# Allegro board 20173009_BALENA-FIN_V10.brd (continued)
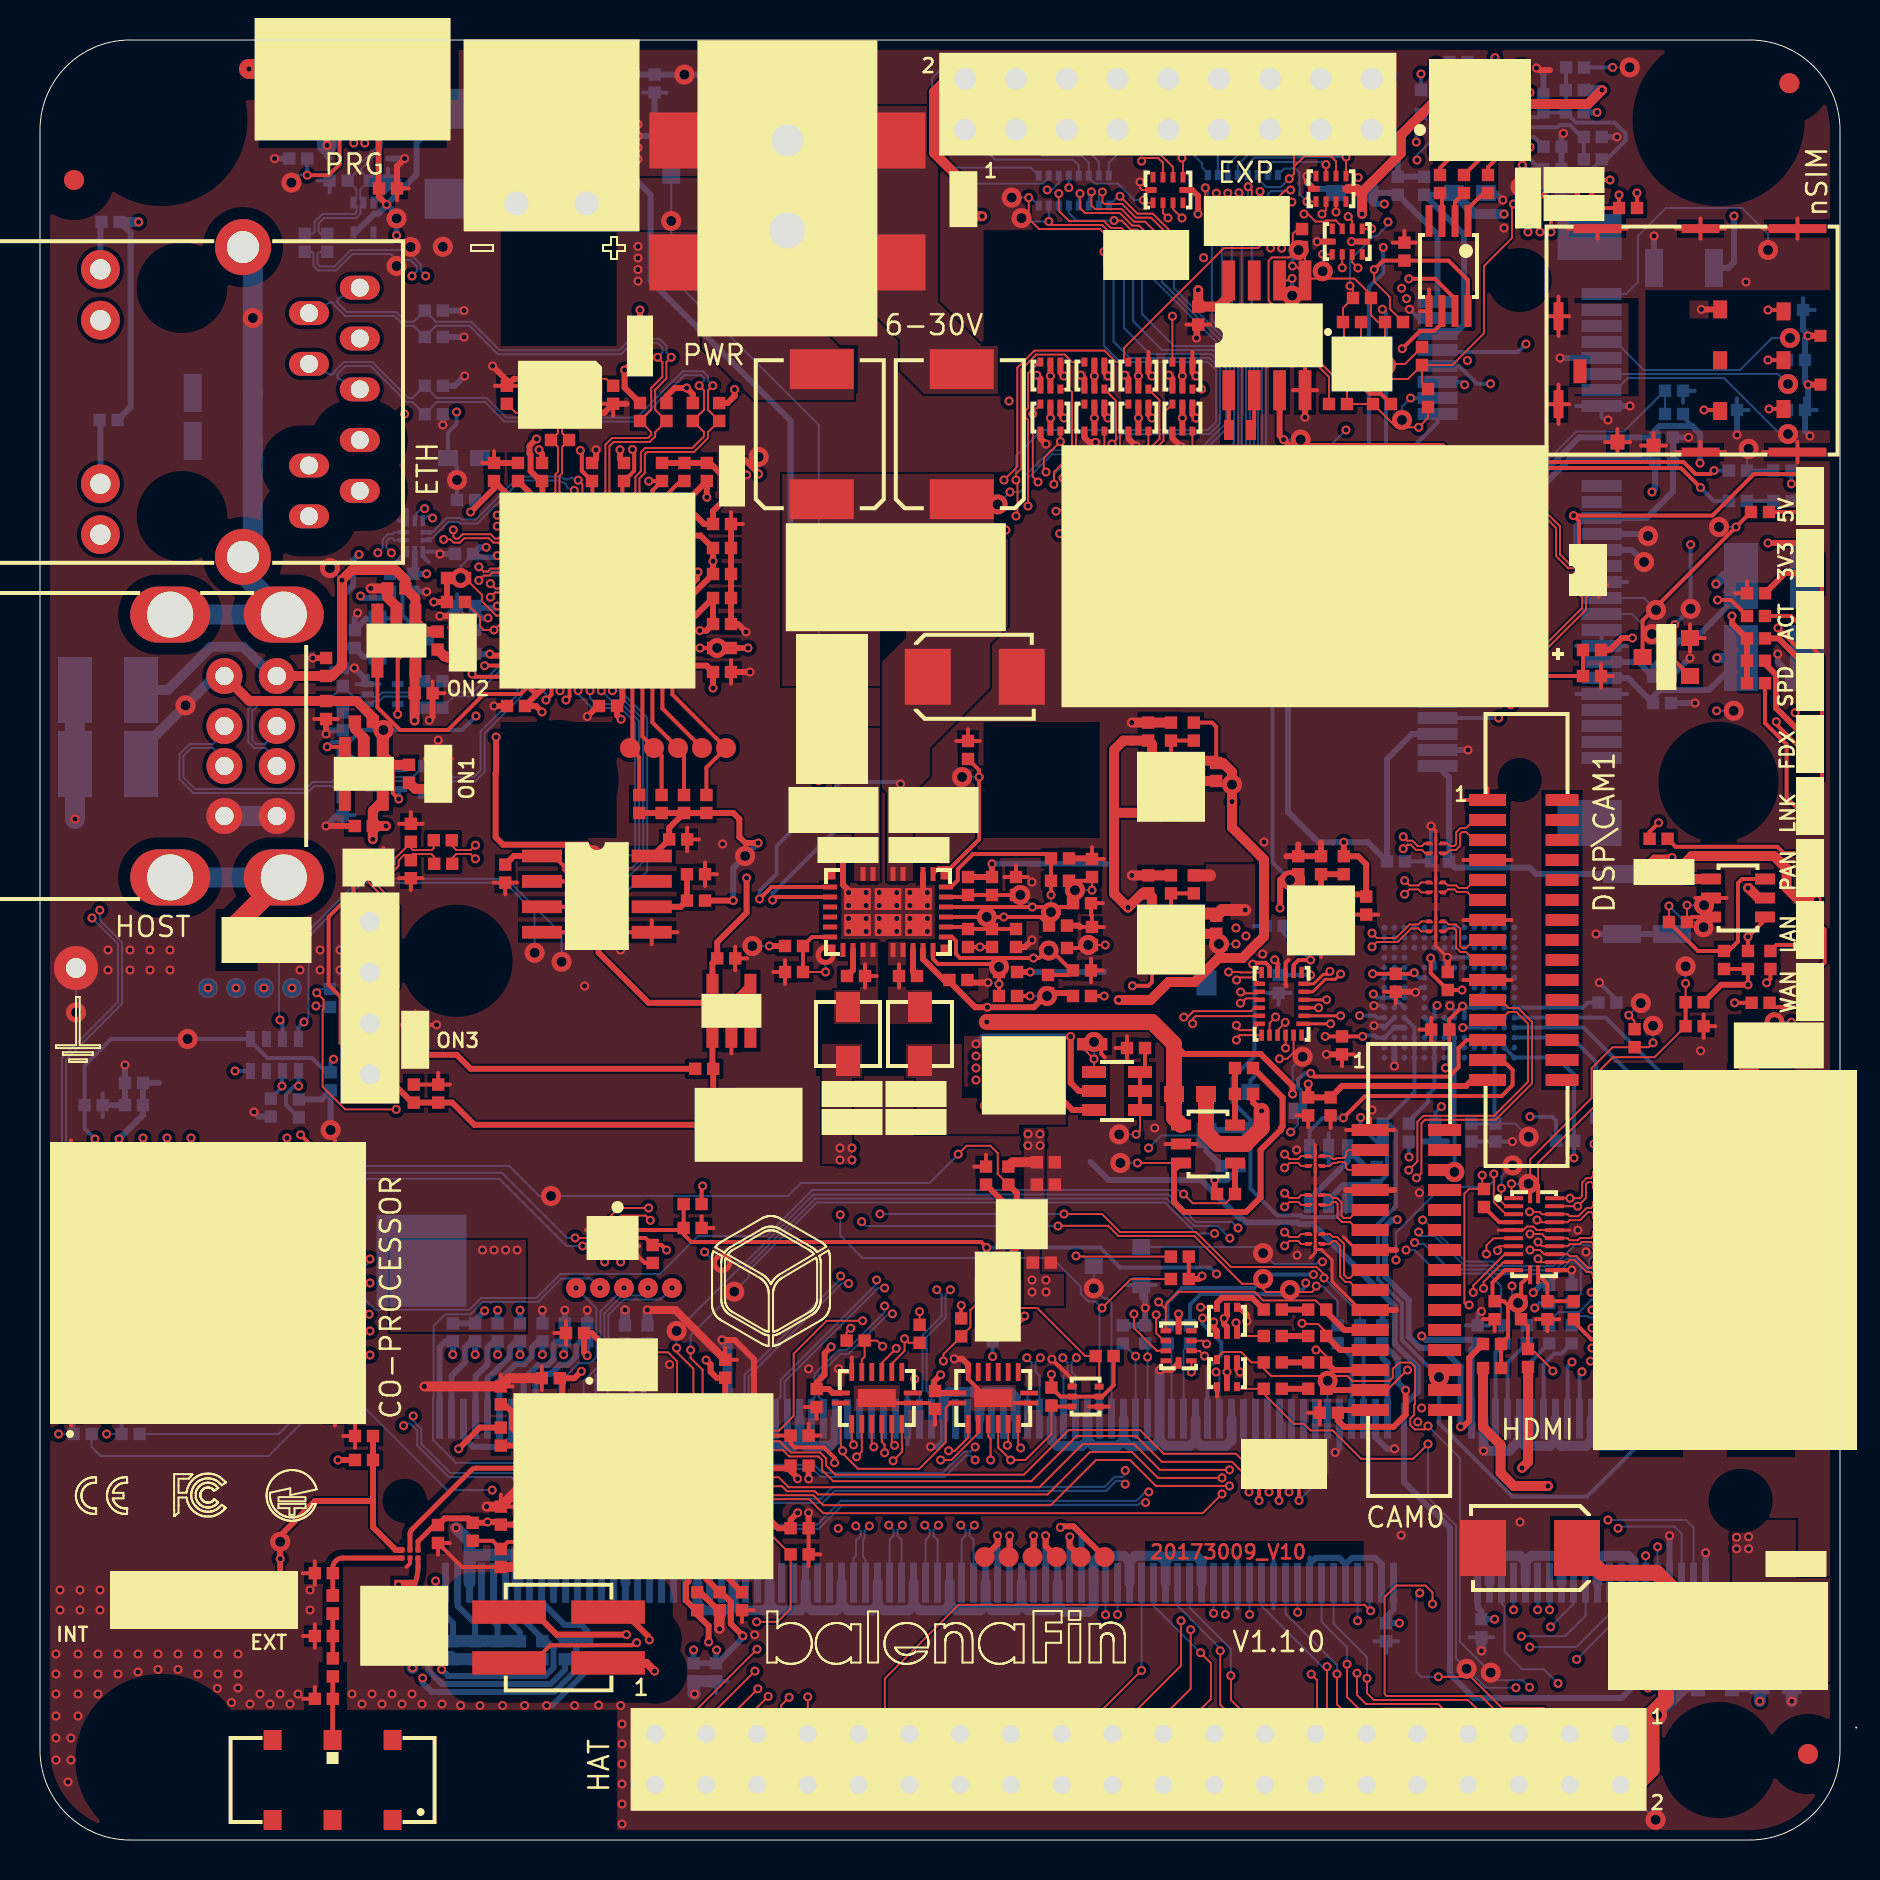
[diagram p0: board, top side]
## Routing (per net, layer and track width the routed paths; a pad name or vN(x,y) marks a point on that pad's centre or on a via; arc(x,y) is an arc through that point) (continued)
EMMC_CMD: length 38.1
  BOTTOM w0.2: U17.M5 68.72,40.62 U17.L3 U17.L2 U17.L1 68.72,37.39 67.14,35.81 ; 67.14,35.81 R134.1 ; 67.14,35.81 67.45,35.81 67.8,35.46 67.8,31.7 66.9,30.8 66.9,28.02 68.09,26.84 68.09,25 v2(69.95,23.14) 69.95,20.84 73.62,17.17 77.34,17.17 79.98,19.81 J2.12 79.98,22.06
EMMC_D0: length 35.6
  INT1 w0.2: v1(77.7,34.8) 78.38,34.12 78.38,31.87 arc(78.43,31.75) 78.54,31.7 79.29,31.7 arc(79.45,31.54) 79.29,31.38 78.54,31.38 arc(78.38,31.21) 78.54,31.05 79.29,31.05 arc(79.45,30.89) 79.29,30.72 78.54,30.72 arc(78.38,30.56) 78.54,30.4 79.29,30.4 arc(79.45,30.23) 79.29,30.07 78.54,30.07 arc(78.38,29.91) 78.54,29.74 79.29,29.74 arc(79.45,29.58) 79.29,29.42 78.54,29.42 arc(78.38,29.25) 78.54,29.09 79.29,29.09 arc(79.45,28.92) 79.29,28.76 78.54,28.76 arc(78.38,28.6) 78.54,28.43 79.29,28.43 arc(79.45,28.27) 79.29,28.11 78.54,28.11 arc(78.38,27.94) 78.54,27.78 78.77,27.78 arc(78.93,27.62) 78.77,27.45 78.54,27.45 arc(78.36,27.38) 78.28,27.19 78.28,26.28 v1(77.6,25.6)
  BOTTOM w0.2: v1(77.6,25.6) 78.78,24.42 J2.16 ; v1(77.7,34.8) 77.8,34.9 R138.1 77.8,38.9 76.58,40.12 U17.A3
EMMC_D1: length 35.6
  INT1 w0.2: v1(79.4,34.75) 80.18,33.97 80.18,31.29 arc(80.24,31.15) 80.38,31.09 80.77,31.09 arc(80.94,30.93) 80.77,30.76 80.4,30.76 arc(80.24,30.6) 80.4,30.44 80.9,30.44 arc(81.07,30.27) 80.9,30.11 80.4,30.11 arc(80.24,29.95) 80.4,29.78 80.9,29.78 arc(81.07,29.62) 80.9,29.46 80.33,29.46 arc(80.16,29.29) 80.33,29.13 80.88,29.13 arc(81.04,28.97) 80.88,28.8 80.32,28.8 arc(80.16,28.64) 80.32,28.48 80.88,28.48 arc(81.04,28.31) 80.88,28.15 80.32,28.15 arc(80.16,27.98) 80.32,27.82 80.67,27.82 arc(80.83,27.66) 80.67,27.49 80.32,27.49 arc(80.16,27.33) 80.32,27.17 80.67,27.17 arc(80.83,27) 80.67,26.84 80.32,26.84 arc(80.2,26.79) 80.16,26.68 80.16,25.58 79.17,24.6 v1(77.6,24.6)
  BOTTOM w0.2: v1(79.4,34.75) R137.1 79.4,38.4 77.18,40.62 U17.A4 ; J2.18 78.18,24.02 v1(77.6,24.6)
EMMC_D2: length 35.7
  INT1 w0.2: v1(81.08,34.6) 81.16,34.6 81.43,34.33 arc(81.74,33.86) 81.85,33.31 81.85,31.51 arc(81.91,31.37) 82.05,31.31 82.39,31.31 arc(82.56,31.15) 82.39,30.98 81.83,30.98 arc(81.67,30.82) 81.83,30.66 82.39,30.66 arc(82.56,30.49) 82.39,30.33 81.83,30.33 arc(81.67,30.16) 81.83,30 82.39,30 arc(82.56,29.84) 82.39,29.67 81.83,29.67 arc(81.67,29.51) 81.83,29.35 82.18,29.35 arc(82.34,29.18) 82.18,29.02 81.83,29.02 arc(81.67,28.86) 81.83,28.69 82.17,28.69 arc(82.33,28.53) 82.17,28.37 81.83,28.37 arc(81.71,28.32) 81.67,28.2 81.67,25.87 79.21,23.41 v1(77.1,23.41)
  BOTTOM w0.2: J2.22 76.98,23.28 77.1,23.4 v1(77.1,23.41) ; v1(81.08,34.6) 81.08,38.33 78.28,41.12 U17.A5
EMMC_D3: length 35.7
  INT1 w0.2: v1(76.6,23.9) 76.39,24.11 arc(76.35,24.18) 76.33,24.25 76.33,25.49 arc(76.27,25.63) 76.13,25.69 75.38,25.69 arc(75.22,25.85) 75.38,26.02 76.94,26.02 arc(77.1,26.18) 76.94,26.34 75.4,26.34 arc(75.24,26.51) 75.4,26.67 76.94,26.67 arc(77.1,26.84) 76.94,27 75.4,27 arc(75.24,27.16) 75.4,27.33 76.94,27.33 arc(77.1,27.49) 76.94,27.65 75.4,27.65 arc(75.24,27.82) 75.4,27.98 77.46,27.98 arc(77.61,28.02) 77.72,28.13 arc(77.78,28.28) 77.8,28.43 77.8,33.19 arc(77.78,33.29) 77.73,33.37 77,34.1 v1(76.7,34.1)
  BOTTOM w0.2: U17.B2 U17.A1 75.86,39.12 76.7,38.28 R135.1 v1(76.7,34.1) ; v1(76.6,23.9) 76.38,23.68 J2.24
EMMC_DISABLE_N: length 118.4
  INT2 w0.1: v1(33.52,85.82) 34.58,85.82 35.11,85.29 35.11,77.78 38.23,74.65 53,74.65 54.05,75.7 77.12,75.7 80.31,72.51 80.31,68.97 87.59,61.7 87.59,57.22 88.3,56.51 88.3,55.5 87.18,54.38 87.18,23.78 86,22.6 v1(83.8,22.6)
  BOTTOM w0.1: J2.2 82.98,21.78 v1(83.8,22.6) 83.8,23.26 v2(83.35,23.71) ; Q2.3 33.53,85.84 v1(33.52,85.82)
EMMC_DS: length 7.9
  BOTTOM w0.2: U17.H5 70.7,40.64 70.7,40.14 U17.G3 U17.G2 U17.G1 v2(70.72,33.4)
EMMC_EN_N_1V8: length 81.1
  TOP w0.1: R22.1 54.55,28.05 v1(53.1,26.6)
  INT2 w0.1: v1(40.01,31.27) 38.7,32.58 38.7,52.72 v1(38.94,52.96)
  BOTTOM w0.1: v1(38.94,52.96) 38.94,70.76 31.56,78.14 v2(31.56,80.95) Q3.1 ; v1(40.01,31.27) 40.01,30.22 41.13,29.1 50.6,29.1 52.04,27.66 52.04,27.31 52.42,26.93 52.77,26.93 v1(53.1,26.6) 52.98,26.48 J2.90
EMMC_RST: length 6
  BOTTOM w0.2: R133.1 68.45,35.95 69.41,36.91 69.41,37.28 69.72,37.59 U17.J1 U17.J2 U17.J3 69.72,40.62 U17.K5
ETH_RX+: length 33
  TOP w0.1: U22.52 30.12,67.27 29.97,67.42 29.97,68.08 30.24,68.35 30.24,69.3 30.34,69.4 32.7,69.4 33.4,70.1 33.4,70.39 R164.1 33.4,71.51 33.4,72.48 v1(33.64,72.72)
  BOTTOM w0.1: v1(33.64,72.72) 33.4,72.96 33.4,73.18 33.14,73.44 32.15,73.44 29.83,71.12 23.31,71.12 22.33,72.1 19.85,72.1 C138.1 18.63,72.1 18.41,72.1 16.61,73.9 15.19,73.9 14.75,73.46 14.68,73.3 14.54,73.26 J20.4
ETH_RX-: length 32.5
  TOP w0.1: U22.53 29.62,67.27 29.77,67.42 29.77,68.16 30.04,68.43 30.04,69.38 30.26,69.6 32.61,69.6 33.2,70.19 33.2,70.39 R165.1 32.98,71.29 33.2,71.51 33.2,72.48 v1(32.96,72.72)
  BOTTOM w0.1: v1(32.96,72.72) 33.2,72.96 33.2,73.1 33.06,73.24 32.23,73.24 29.91,70.92 23.23,70.92 22.25,71.9 19.85,71.9 C139.1 18.63,71.9 18.33,71.9 16.53,73.7 15.28,73.7 14.92,73.34 14.85,73.21 14.9,73.08 15.99,72.53
ETH_TX+: length 30.6
  TOP w0.1: v1(31.56,74.13) 31.32,73.89 31.32,73.08 30.76,72.52 30.76,71.51 R162.1 30.75,70.38 30.75,70.17 30.48,69.9 29.47,69.9 28.68,69.9 28.47,69.69 28.47,67.42 28.62,67.27 U22.55
  BOTTOM w0.1: v1(31.56,74.13) 31.32,74.38 31.32,74.71 30.97,75.06 29.53,75.06 28.96,74.49 22.98,74.49 21.56,75.91 19.8,75.91 C136.1 18.68,75.91 18.3,75.91 17.81,76.4 15.34,76.4 14.9,76.84 14.85,76.94 14.9,77.07 J20.1
ETH_TX-: length 30.5
  TOP w0.1: v1(30.88,74.13) 31.12,73.89 31.12,73.16 30.56,72.6 30.56,71.51 R163.1 30.55,70.4 30.55,70.25 30.4,70.1 29.39,70.1 29.39,70.1 28.6,70.1 28.27,69.77 28.27,67.42 28.12,67.27 U22.56
  BOTTOM w0.1: v1(30.88,74.13) 31.12,74.38 31.12,74.63 30.89,74.86 29.61,74.86 29.04,74.29 22.9,74.29 21.48,75.71 19.8,75.71 C137.1 18.68,75.71 18.22,75.71 17.73,76.2 15.26,76.2 14.74,76.72 14.68,76.85 14.54,76.89 J20.2
FB_3V3: length 3.5
  TOP w0.2: R266.2 R258.1 C221.2 46.3,47.15 U27.31
FB_5V: length 3.5
  TOP w0.2: U27.28 46.3,45.65 C220.2 R257.1 R265.2
GPIO4: length 23.7
  TOP w0.1: v1(65.85,8.34) 65.85,7.25 66.3,6.8 69.91,6.8 J18.7
  INT1 w0.1: v1(76.83,9.03) 66.2,9.03 65.85,8.68 v1(65.85,8.34)
  BOTTOM w0.1: J2.15 79.08,11.28 v1(76.83,9.03)
GPIO5: length 39.5
  INT2 w0.1: v1(74.49,9.65) 74.49,8.84 73.15,7.5 45.67,7.5 J18.29
  BOTTOM w0.1: J2.17 78.48,11.31 76.82,9.65 v1(74.49,9.65)
GPIO6: length 41.3
  INT2 w0.1: J18.31 43.33,7.7 72.96,7.7 74.01,8.75 74.01,10.13 v1(74.07,10.19)
  BOTTOM w0.1: J2.21 77.28,11.21 76.26,10.19 v1(74.07,10.19)
GPIO7: length 35.7
  INT2 w0.1: v1(75.53,10.66) 75.33,10.46 75.33,7.51 74.72,6.9 50.99,6.9 49.89,5.8 49.89,4.1 J18.26
  BOTTOM w0.1: v1(75.53,10.66) 76.68,11.81 J2.23
GPIO8: length 34.1
  INT2 w0.1: J18.24 52.29,3.96 52.29,5.79 53,6.5 75.46,6.5 76.33,7.37 76.33,10.66 v1(75.48,11.51)
  BOTTOM w0.1: J2.27 v1(75.48,11.51)
GPIO9: length 29.3
  TOP w0.1: J18.21 57.05,8.72 v1(57.05,10.96)
  INT1 w0.1: v1(74.88,11.51) 74.88,12.55 74.13,13.3 58.22,13.3 57.05,12.13 v1(57.05,10.96)
  BOTTOM w0.1: v1(74.88,11.51) J2.29
GPIO10: length 26.6
  TOP w0.1: J18.19 56.17,6.2 57.53,7.56 v1(57.53,10.52)
  INT1 w0.1: v1(73.68,11.51) 73.68,12.41 72.99,13.1 58.3,13.1 57.53,12.33 v1(57.53,10.52)
  BOTTOM w0.1: J2.33 v1(73.68,11.51)
GPIO11: length 33
  INT2 w0.1: J18.23 52.49,6.7 75.38,6.7 75.9,7.22 v1(75.9,7.83)
  BOTTOM w0.1: v1(75.9,7.83) 75.19,8.54 74.11,8.54 73.23,9.42 73.23,11.66 73.08,11.81 J2.35
GPIO12: length 33.2
  TOP w0.1: J18.32 42.24,4.07 42.24,8.07 45.93,11.76 66.23,11.76 v1(66.53,11.46)
  BOTTOM w0.1: J2.45 66.48,11.51 v1(66.53,11.46)
GPIO13: length 32.8
  TOP w0.1: v1(38.39,7.16) J18.33
  INT2 w0.1: v1(38.39,7.16) 41.17,9.94 64.44,9.94 65.45,10.96 v1(65.88,10.96)
  BOTTOM w0.1: J2.47 v1(65.88,10.96)
GPIO14: length 16.6
  TOP w0.1: J18.8 72.61,3.96 72.61,5.8 71.41,7 66.69,7 66.35,7.34 v1(66.35,8.08)
  BOTTOM w0.1: v1(66.35,8.08) 66.35,9.14 64.68,10.81 J2.51
GPIO15: length 12.6
  TOP w0.1: J18.10 67.62,4.01 67.62,5.78 66.85,6.55 65.95,6.55 65.35,7.15 v1(65.35,8.79)
  BOTTOM w0.1: v1(65.35,8.79) 65.35,9.64 64.08,10.91 J2.53
GPIO16: length 33.7
  TOP w0.1: v1(37.46,7.13) 37.05,6.73 37.05,3.96 J18.36
  INT2 w0.1: v1(37.46,7.13) 40.47,10.14 60.51,10.14 61.76,11.39 v1(62.88,11.39)
  BOTTOM w0.1: v1(62.88,11.39) J2.57
GPIO17: length 9.2
  TOP w0.1: v1(64.85,8.3) 64.85,6.78 J18.11
  BOTTOM w0.1: v1(64.85,8.3) 64.85,8.74 62.28,11.31 J2.59
GPIO18: length 12.4
  TOP w0.1: v1(64.35,8.67) 64.35,6.51 65.04,5.82 65.04,4.05 J18.12
  BOTTOM w0.1: v1(64.35,8.67) 64.11,8.67 61.08,11.7 J2.63
GPIO19: length 29.9
  TOP w0.1: v1(36.41,7.18) 35.85,6.62 J18.35
  INT2 w0.1: v1(36.41,7.18) 39.79,10.56 54.41,10.56 55.19,11.34 57.24,11.34 57.82,10.76 59.97,10.76 v1(60.48,11.28)
  BOTTOM w0.1: J2.65 v1(60.48,11.28)
GPIO20: length 32.9
  TOP w0.1: J18.38 34.51,3.96 34.51,6.18 v1(35.89,7.56)
  INT2 w0.1: v1(59.27,11.28) 58.95,10.96 57.9,10.96 57.33,11.54 55.11,11.54 54.33,10.76 39.09,10.76 v1(35.89,7.56)
  BOTTOM w0.1: J2.69 59.28,11.29 v1(59.27,11.28)
GPIO21: length 35.1
  TOP w0.1: J18.40 32.11,4.1 32.11,5.8 v1(35.85,9.54)
  INT2 w0.1: v1(35.85,9.54) 38.54,12.22 52.46,12.22 52.94,12.7 56.59,12.7 57.95,11.34 v1(58.68,11.34)
  BOTTOM w0.1: J2.71 v1(58.68,11.34)
GPIO22: length 9.1
  TOP w0.1: v1(59.54,8.22) 59.55,8.21 59.55,7 J18.15
  BOTTOM w0.1: v1(59.54,8.22) 59.54,9.55 57.48,11.61 J2.75
GPIO23: length 11.9
  TOP w0.1: v1(59.01,9.46) 59.01,6.77 60,5.78 60,4.01 J18.16
  BOTTOM w0.1: v1(59.01,9.46) 59.01,9.58 56.88,11.71 J2.77
GPIO24: length 12.3
  TOP w0.1: J18.18 57.46,4.01 57.46,5.96 58.55,7.05 58.55,8.84 v1(58.03,9.36)
  BOTTOM w0.1: v1(58.03,9.36) 55.68,11.71 J2.81
GPIO25: length 11.8
  TOP w0.1: J18.22 52.34,4.05 52.34,5.74 v1(55.08,8.48)
  BOTTOM w0.1: J2.83 v1(55.08,8.48)
GPIO26: length 25.6
  TOP w0.1: v1(35.75,8.45) 33.31,6.01 J18.37
  INT2 w0.1: v1(53.88,11.28) 53.88,11.31 53.29,11.9 39.2,11.9 v1(35.75,8.45)
  BOTTOM w0.1: v1(53.88,11.28) J2.87
GPIO27: length 16.3
  TOP w0.1: v1(63.56,8.29) 63.85,8 63.85,5.36 J18.13
  INT1 w0.1: v1(63.56,8.29) 61.71,10.14 54.3,10.14 53.28,11.16 v1(53.28,11.26)
  BOTTOM w0.1: J2.89 v1(53.28,11.26)
HDMI_CEC: length 76.2
  TOP w0.1: v1(79.44,41.24) 79.73,40.95 R6.1
  INT2 w0.1: v1(79.44,41.24) 79.44,37.14 76.78,34.48 76.54,34.48 76.33,34.26 76.33,34.03 71.79,29.49 71.79,28.09 70.2,26.5 70.2,18.2 65.1,13.1 52.78,13.1 52.3,12.62 32.08,12.62 29.14,15.57 v1(29.12,15.57)
  BOTTOM w0.1: J2.171 28.68,15.12 29.12,15.55 v1(29.12,15.57) ; v1(79.44,41.24) v2(80.04,41.84)
HDMI_CEC_CON: length 10.4
  TOP w0.1: v1(72.32,29.3) 72.32,29.73 72.68,30.09 U1.6 ; v1(77.56,27.39) 77.67,27.5 J1.13
  INT2 w0.1: v1(72.32,29.3) 72.32,29.55 72.61,29.84 73.16,29.84 75.61,27.39 v1(77.56,27.39)
HDMI_CK+: length 49.4
  TOP w0.1: J1.10 77.75,29 77.65,28.9 77.65,28.7 77.55,28.6 77.41,28.6 76.82,29.19 76.48,29.19 76.38,29.29 U1.15 75.21,29.29 75,29.5 v1(74.5,29.5)
  INT1 w0.1: v1(74.5,29.5) 74.23,29.25 74.22,28.99 73.83,28.6 71.1,28.6 67.15,24.65 67.15,17.08 64.29,14.22 54.02,14.22 51.58,16.66 46.73,16.66 46.28,16.21 46.28,15.98 v1(46.04,15.74)
  BOTTOM w0.1: v1(46.04,15.74) 46.28,15.5 46.28,15.21 46.08,15.01 J2.113
HDMI_CK-: length 48.9
  TOP w0.1: J1.12 77.75,28 77.65,28.1 77.65,28.3 77.55,28.4 77.33,28.4 76.74,28.99 76.48,28.99 76.38,28.89 U1.14 75,28.89 74.9,28.99 v1(74.9,29.07)
  INT1 w0.1: v1(74.9,29.07) 74.63,28.82 74.35,28.83 74.34,28.83 73.91,28.4 71.18,28.4 67.35,24.57 67.35,17 64.37,14.02 53.94,14.02 51.5,16.46 46.82,16.46 46.48,16.12 46.48,15.98 v1(46.72,15.74)
  BOTTOM w0.1: v1(46.72,15.74) 46.48,15.5 46.48,15.21 46.68,15.01 J2.111
HDMI_D0+: length 51.6
  TOP w0.1: v1(74.5,30.3) 75.1,30.3 75.31,30.09 U1.17 76.38,30.09 76.48,29.99 76.89,29.99 77,30.1 77.55,30.1 77.65,30.2 77.65,30.4 77.75,30.5 J1.7
  INT1 w0.1: v1(44.24,15.74) 44.48,15.98 44.48,16.78 44.99,17.29 51.82,17.29 54.27,14.84 63.97,14.84 66.54,17.41 66.54,24.94 72,30.4 74.4,30.4 v1(74.5,30.3)
  BOTTOM w0.1: v1(44.24,15.74) 44.48,15.5 44.48,15.21 44.28,15.01 J2.119
HDMI_D0-: length 51.4
  TOP w0.1: v1(74.9,29.9) 75.11,29.69 U1.16 76.38,29.69 76.48,29.79 76.97,29.79 77.08,29.9 77.55,29.9 77.65,29.8 77.65,29.6 77.75,29.5 J1.9
  INT1 w0.1: v1(74.9,29.9) 74.38,29.9 74.36,29.93 74.34,29.93 74.07,30.2 72.08,30.2 66.74,24.86 66.74,17.33 64.05,14.64 54.19,14.64 51.74,17.09 45.07,17.09 44.68,16.7 44.68,15.98 v1(44.92,15.74)
  BOTTOM w0.1: v1(44.92,15.74) 44.68,15.5 44.68,15.21 44.88,15.01 J2.117
HDMI_D1+: length 54
  TOP w0.1: v1(74.48,31.41) 74.49,31.4 74.98,31.4 75.09,31.29 U1.20 76.38,31.29 76.48,31.19 76.92,31.19 77.33,31.6 77.55,31.6 77.65,31.7 77.65,31.9 77.75,32 J1.4
  INT1 w0.1: v1(42.44,15.74) 42.68,15.98 42.68,16.88 43.72,17.92 52.06,17.92 54.53,15.45 63.55,15.45 65.9,17.8 65.9,25.2 71.86,31.16 74.38,31.16 74.48,31.26 v1(74.48,31.41)
  BOTTOM w0.1: v1(42.44,15.74) 42.68,15.5 42.68,15.21 42.48,15.01 J2.125
HDMI_D1-: length 53.5
  TOP w0.1: J1.6 77.75,31 77.65,31.1 77.65,31.3 77.55,31.4 77.41,31.4 77,30.99 76.48,30.99 76.38,30.89 U1.19 74.96,30.89 74.85,31 v1(74.85,31)
  INT1 w0.1: v1(43.12,15.74) 42.88,15.98 42.88,16.8 43.8,17.72 51.98,17.72 54.45,15.25 63.63,15.25 66.1,17.72 66.1,25.12 71.94,30.96 74.81,30.96 v1(74.85,31)
  BOTTOM w0.1: J2.123 43.08,15.01 42.88,15.21 42.88,15.5 v1(43.12,15.74)
HDMI_D2+: length 57
  TOP w0.1: U1.22 v1(76.5,32.09) 77,32.09 77.1,32.19 77.1,32.87 77.33,33.1 77.55,33.1 77.65,33.2 77.65,33.4 77.75,33.5 J1.1
  INT1 w0.1: v1(40.79,15.7) 41,15.91 41,16.48 43.07,18.55 52.31,18.55 54.8,16.06 63.16,16.06 65.22,18.12 65.22,25.42 71.79,31.99 76.03,31.99 76.13,32.09 v1(76.5,32.09)
  BOTTOM w0.1: v1(40.79,15.7) 41.03,15.46 41.03,15.2 40.8,14.98 40.8,14.22 40.68,14.09 J2.131
HDMI_D2-: length 57.1
  TOP w0.1: U1.21 v1(76.88,31.69) 77.3,32.11 77.3,32.79 77.41,32.9 77.55,32.9 77.65,32.8 77.65,32.6 77.75,32.5 J1.3
  INT1 w0.1: v1(41.47,15.7) 41.24,15.93 41.24,16.15 41.2,16.19 41.2,16.4 43.15,18.35 52.23,18.35 54.72,15.86 63.24,15.86 65.42,18.04 65.42,25.34 71.87,31.79 76.03,31.79 76.13,31.69 v1(76.88,31.69)
  BOTTOM w0.1: J2.129 41.28,14.02 41.15,14.15 41.15,15.01 41.23,15.09 41.23,15.46 v1(41.47,15.7)
HDMI_HPD: length 23.8
  TOP w0.1: U1.3 73.29,31.29 72.69,31.89 v1(72.69,33.3)
  INT1 w0.1: v1(64.12,28.91) 64.19,28.91 64.5,28.6 67.5,28.6 67.8,28.9 v1(67.8,29)
  BOTTOM w0.1: v1(72.69,33.3) 72.69,32.97 72.38,32.66 70.09,32.66 67.8,30.37 v1(67.8,29) ; v1(64.12,28.91) 63.91,28.91 63.8,28.8 61.7,28.8 v2(61.15,29.35) 60.85,29.65 Q1.1
HDMI_HPD_CON: length 11.1
  TOP w0.1: J1.19 78.08,24.5 v1(77.52,23.94) ; v1(72.18,27.58) 72.18,27.9 73.17,28.89 U1.9
  INT2 w0.1: v1(77.52,23.94) 77.06,24.4 75.88,24.4 72.7,27.58 v1(72.18,27.58)
HDMI_LS_OE: length 75.1
  TOP w0.1: R245.2 74.58,24.55 75.64,23.49 v1(75.64,23.45) ; v1(71.46,26.75) 71.32,26.75 71.22,26.85 71.22,32.32 71.45,32.55 R13.1 72.11,32.64 v1(72.11,33.24)
  TOP w0.2: R245.2 74.4,25.69 R16.1
  INT1 w0.1: v1(71.37,73.97) 71.37,76.93 67.78,80.53 67.24,80.53 67.03,80.74 67.03,81.06 68.85,82.88 v1(68.85,84)
  INT2 w0.1: v1(71.37,73.97) 71.92,73.43 71.92,72.03 73.9,70.05 73.9,65.4 72.11,63.61 v1(72.11,33.24) ; v1(71.46,26.75) 71.49,26.75 71.7,26.96 72.4,26.96 75.64,23.72 v1(75.64,23.45)
  BOTTOM w0.1: v1(68.85,84) 68.85,84.25 69.74,85.14 U25.5
HDMI_SCL: length 68.9
  TOP w0.1: v1(73.57,32.81) 73.57,32.19 73.67,32.09 U1.1
  INT2 w0.1: v1(27.28,15.57) 27.71,16 28.38,16 29.16,16.78 29.94,16.78 30.33,16.39 30.33,15.29 32.59,13.02 52.13,13.02 52.61,13.5 64.93,13.5 69.8,18.37 69.8,26.67 71.38,28.25 71.38,32.18 71.39,32.19 71.39,32.27 71.9,32.79 72.74,32.79 72.91,32.96 73.42,32.96 v1(73.57,32.81)
  BOTTOM w0.1: J2.175 27.48,15.35 27.28,15.55 v1(27.28,15.57) ; v2(74.42,32.81) v1(73.57,32.81)
HDMI_SCL_CON: length 8.7
  TOP w0.1: v1(72.87,29.47) 72.87,29.59 72.97,29.69 U1.7 ; J1.15 v1(77.6,26.5)
  INT2 w0.1: v1(72.87,29.47) 73.25,29.47 75.53,27.19 76.91,27.19 v1(77.6,26.5)
HDMI_SDA: length 68.4
  TOP w0.1: v1(73.07,32.59) 73.06,32.57 73.06,31.93 73.29,31.69 U1.2
  INT2 w0.1: v1(73.07,32.59) 71.99,32.59 71.59,32.19 71.59,28.17 70,26.58 70,18.28 65.02,13.3 52.69,13.3 52.22,12.82 32.51,12.82 30.12,15.21 30.12,16.31 29.86,16.57 29.24,16.57 28.23,15.57 v1(28.2,15.57)
  BOTTOM w0.1: v1(28.2,15.57) 28.08,15.45 J2.173 ; v1(73.07,32.59) 73.07,33.17 v2(73.63,33.73)
HDMI_SDA_CON: length 18.8
  TOP w0.1: v1(71.66,27.38) 71.66,27.72 73.23,29.29 U1.8 ; J1.16 81.17,26 81.47,25.7 81.47,24.21 81.05,23.79 80.26,23.79 v1(79.98,23.51)
  INT2 w0.1: v1(79.98,23.51) 79.51,23.04 76.6,23.04 72.48,27.16 71.88,27.16 v1(71.66,27.38)
I2C0_SCL: length 83.9
  TOP w0.1: v1(69.4,20.7) 69.23,20.53 68.73,20.53 68.51,20.75 68.51,21.06 68.71,21.25 68.71,21.76 68.75,21.8 68.75,23.66 68.53,23.88 67.95,23.88 67.64,23.56 67.64,23.12 67.47,22.95 65.62,22.95 65.37,23.2 61.56,23.2 61.19,23.57 R86.2 60.57,23.88 60.05,24.4 59.15,24.4 58.85,24.1 DS5.6
  INT1 w0.1: v1(78.9,15.59) 78.28,15.59 77.17,16.7 71.64,16.7 69.03,19.31 69.03,20.33 v1(69.4,20.7)
  INT2 w0.1: v1(74.48,7.64) 73.94,7.1 48.65,7.1 47.35,5.8 47.35,4.1 J18.28
  BOTTOM w0.1: v1(78.9,15.59) 78.99,15.68 81.72,15.68 82.08,15.32 J2.5 82.08,11.7 R4.1 ; v1(74.48,7.64) 74.13,7.99 72.92,7.99 v2(72.54,8.37) 71,9.91 71,19.1 v1(69.4,20.7)
I2C0_SDA: length 75.6
  TOP w0.1: DS5.3 59.95,22.56 R88.2 61.19,22.31 62.15,21.35 62.69,20.81 63.19,20.81 63.52,20.48 64.64,20.48 66.06,19.06 68.66,19.06 v1(69.4,19.8)
  INT1 w0.1: v1(78.4,16) 78.15,16 77.25,16.9 71.72,16.9 69.4,19.22 v1(69.4,19.8)
  INT2 w0.1: J18.27 48.01,7.3 73.48,7.3 v1(73.8,7.61)
  BOTTOM w0.1: v1(78.4,16) 82.3,16 82.68,15.62 J2.3 82.68,12.07 83.71,11.04 R5.1 ; v1(73.8,7.61) 72.28,7.61 v2(71.33,8.56) 70.8,9.09 70.8,15.72 69.4,17.12 v1(69.4,19.8)
I2C1_SCL: length 137.1
  TOP w0.1: v1(61.7,74.8) 62.8,74.8 64.45,73.15 R284.2 ; v1(69.62,11.8) 69.62,12.38 69.28,12.73 67.81,12.73 67.23,12.14 67.23,7.3 67.33,7.2 72.05,7.2 J18.5
  INT1 w0.1: v1(61.7,74.8) 61.18,75.32 v1(61.18,76.3) 61.81,76.93 66.15,76.93 66.81,77.59 v1(68.08,77.59)
  INT2 w0.1: v1(69.62,11.8) 71.22,13.4 78.47,13.4 79.28,14.21 v1(80.28,14.21) 82.03,12.46 84.86,12.46 88.2,15.8 88.2,15.97 88.2,51.4 88.7,51.9 88.7,56.67 87.99,57.39 87.99,66.42 88.61,67.04 88.61,67.39 88.19,67.81 v1(87.57,67.81)
  INT2 w0.2: v1(87.57,67.81) 83.44,67.81 83.2,68.05 82.85,68.05 82.61,67.81 82.25,67.81 80.86,69.2 80.86,72.74 77.35,76.25 69.87,76.25 68.53,77.59 v1(68.08,77.59)
  BOTTOM w0.1: R1.1 80.5,11.44 80.5,12.18 80.28,12.4 J2.11 v1(80.28,14.21)
  BOTTOM w0.2: R143.2 v1(87.57,67.81) ; v2(62.55,74.8) v1(61.7,74.8)
I2C1_SCL_EXT: length 3.3
  TOP w0.1: TVS18.7 64.3,81.5 v1(64.1,81.3)
  INT1 w0.1: v1(65.9,83.13) 64.1,81.32 v1(64.1,81.3)
I2C1_SDA: length 131.7
  TOP w0.1: v1(69.92,8.16) 71.54,8.16 73.1,6.6 75.19,6.6 J18.3 ; v1(61.8,76.1) 61.8,76.6 61.43,76.97 61.43,78.96 61.6,79.13 62.46,79.13 62.64,79.31 62.64,80.31 62.88,80.55 R285.1
  INT1 w0.1: v1(68.32,77.06) 66.56,77.06 66.23,76.73 62.43,76.73 v1(61.8,76.1)
  INT2 w0.1: v1(68.98,12.35) 69.85,12.35 71.1,13.6 77.97,13.6 79.03,14.66 v1(80.88,14.66) 82.48,13.06 85.18,13.06 88,15.88 88,51.48 88.5,51.98 88.5,56.59 87.79,57.3 87.79,66.75 v1(88.23,67.2)
  INT2 w0.2: v1(88.23,67.2) 82.44,67.2 80.56,69.08 80.56,72.62 77.23,75.95 69.75,75.95 68.64,77.06 v1(68.32,77.06)
  BOTTOM w0.1: v1(80.88,14.66) J2.9 80.88,11.3 R3.1 ; v1(68.98,12.35) 68.82,12.18 68.82,8.41 69.06,8.16 v1(69.92,8.16)
  BOTTOM w0.2: v1(88.23,67.2) 87.82,67.2 R145.2 ; v1(61.8,76.1) 62.49,76.1 62.6,75.99 v2(62.65,75.99)
I2C1_SDA_EXT: length 0.5
  TOP w0.1: TVS18.8 v1(64.8,81.4)
JTCK: length 8.1
  BOTTOM w0.1: v1(26.8,27.6) 27.82,26.58 27.82,24.15 27.52,23.84 26.95,23.84 25.98,22.88 J2.180
JTDI: length 8.2
  BOTTOM w0.1: J2.174 27.78,23.27 28.22,23.71 28.22,26.34 29.11,27.23 30.02,27.23 v1(30.4,27.6)
JTDO: length 24.4
  BOTTOM w0.1: v1(28,27.6) 27.53,28.07 26.07,28.07 24.9,26.9 22.14,26.9 21.53,26.29 20.27,26.29 19.68,25.7 19.68,22.15 19.66,22.12 19.66,20 20.79,18.86 25.93,18.86 26.58,19.51 J2.178
JTMS: length 7.4
  BOTTOM w0.1: J2.176 27.18,22.95 28.02,23.79 28.02,26.42 v1(29.2,27.6)
LED-B: length 1.4
  TOP w0.2: R123.2 70.1,82.25 U30.3
LED-G: length 1.6
  TOP w0.2: U30.2 70.75,81.9 R121.2
LED-R: length 1.9
  TOP w0.2: R119.2 72.18,82.35 71.4,81.57 U30.1
LED_LINK: length 138.5
  TOP w0.2: U22.21 26.12,57.58 v1(26,57.46) ; LD12.1 89.1,53.05 89.1,59.13 88.58,59.65 87.85,59.65 v1(86.9,60.6)
  INT1 w0.1: v1(26,57.46) 26.38,57.85 30.37,57.85 33.44,54.78 44.19,54.78 48.69,59.27 65.1,59.27 69.46,63.63 85.35,63.63 86.9,62.08 v1(86.9,60.6)
  INT4 w0.1: v1(26,57.46) 24.19,57.46 18.63,51.9 18.63,51.04 13.19,45.6 4.53,45.6 3.56,46.57 3.56,46.73 3.02,47.27 3.02,63.15 4.33,64.46 4.33,74.68 J20.12
  BOTTOM w0.1: v1(26,57.46) 26,58.12 v2(26.2,58.32)
LED_SPEED: length 122.5
  TOP w0.2: v1(26.3,57) 26.48,57.18 26.48,57.78 26.62,57.92 U22.22 ; LD13.1 87.76,56.41 v1(87.76,56.37)
  INT1 w0.1: v1(26.3,57) 30.93,57 33.36,54.58 44.28,54.58 48.78,59.08 65.19,59.08 69.54,63.43 84.47,63.43 85.67,62.23 85.67,58.45 v1(87.76,56.37)
  INT4 w0.1: J20.14 1.53,63.78 1.53,52.29 2.82,51 2.82,47.19 3.36,46.64 3.36,46.48 4.45,45.4 13.27,45.4 18.83,50.96 18.83,51.82 23.01,56 25.3,56 v1(26.3,57)
MCU-GPIO0: length 128.1
  TOP w0.1: DS7.3 57.62,69.69 57.22,69.28 55.78,69.28 52.4,65.9 v1(52.4,65.4) ; v1(55.1,79.43) 55.1,79.1 55.56,78.64 RR13.5
  TOP w0.2: MOD2.3 v1(3.95,23.8)
  INT1 w0.1: v1(56.7,68.12) 56.7,66.7 56.1,66.1 53.37,66.1 52.67,65.4 v1(52.4,65.4)
  INT2 w0.1: v1(3.95,23.8) 3.95,22.98 13.43,13.5 23.32,13.5 26.65,16.83 26.65,20.03 28.12,21.5 36.22,21.5 37.5,22.78 37.5,31.52 38.5,32.52 38.5,53.05 50.15,64.7 51.18,64.7 51.88,65.4 v1(52.4,65.4)
  BOTTOM w0.1: v1(56.7,68.12) 56.88,67.95 57.8,67.95 59.7,69.85 59.7,73.73 58.73,74.7 56.7,74.7 55.1,76.3 v1(55.1,79.43) ; v2(3.95,22.95) v1(3.95,23.8)
MCU-GPIO0_EXT: length 20
  TOP w0.1: TVS6.7 56.15,81.35 v1(56.4,81.1)
  INT1 w0.1: v1(56.4,81.1) 55.48,81.1 54.58,82.01 54.58,82.43 53.63,83.37 53.43,83.37 53.42,83.38 48.41,83.38 J14.1
  BOTTOM w0.1: RR14.13 51.94,83.73 51.65,84.02 47.76,84.02 J14.1
MCU-GPIO1: length 123.9
  TOP w0.1: v1(55.62,79.12) 55.62,79.08 56.06,78.64 RR13.6 ; 56.62,71.8 56.17,71.35 56.17,69.96 52.71,66.5 50.86,66.5 v1(50.8,66.44)
  TOP w0.2: MOD2.7 v1(8.75,23.8)
  INT1 w0.1: v1(56.1,67.93) 56.1,67.25 56,67.15 53.57,67.15 52.86,66.44 v1(50.8,66.44)
  INT2 w0.1: v1(8.75,23.8) 8.75,19.03 13.68,14.1 23.07,14.1 26.05,17.08 26.05,20.28 27.87,22.1 35.97,22.1 36.9,23.03 36.9,31.77 37.9,32.77 37.9,53.3 50.8,66.2 v1(50.8,66.44)
  BOTTOM w0.1: v1(55.62,79.12) 55.62,78.1 59.9,73.81 59.9,69.77 57.88,67.75 56.28,67.75 v1(56.1,67.93) ; v2(8.75,24.65) v1(8.75,23.8)
MCU-GPIO1_EXT: length 8.8
  TOP w0.1: TVS6.6 55.31,81.86 v1(55.17,82)
  BOTTOM w0.1: J14.3 50.1,84.22 52.08,84.22 52.44,83.86 RR14.14 52.44,83.11 52.73,82.82 53.9,82.82 54.72,82 v1(55.17,82)
MCU-GPIO2: length 120.5
  TOP w0.1: v1(56.1,79.43) 56.1,79.13 56.56,78.68 RR13.7 ; v1(52.11,67.28) 52.91,67.28 55.42,69.79 DS8.3
  TOP w0.2: MOD2.8 v1(9.95,23.8)
  INT1 w0.1: v1(52.11,67.28) 52.79,67.28 53.31,67.8 55.22,67.8 v1(55.3,67.72)
  INT2 w0.1: v1(52.11,67.28) 52,67.28 51.53,66.82 51.1,66.82 51.1,66.81 50.58,66.81 50.42,66.66 50.42,66.11 37.7,53.38 37.7,32.85 36.7,31.85 36.7,23.11 35.89,22.3 27.79,22.3 25.85,20.36 25.85,17.16 22.99,14.3 13.76,14.3 9.95,18.11 v1(9.95,23.8)
  BOTTOM w0.1: v1(56.1,79.43) 56.1,77.9 60.1,73.9 60.1,69.69 57.96,67.55 55.47,67.55 v1(55.3,67.72) ; v1(9.95,23.8) v2(9.95,25.27)
MCU-GPIO2_EXT: length 20.8
  TOP w0.1: TVS7.1 v1(66.59,80.56)
  INT2 w0.1: J14.5 52.56,84.3 54.9,84.3 54.92,84.32 55.28,84.32 57.9,81.7 60.6,81.7 61.8,80.5 65.02,80.5 65.08,80.56 v1(66.59,80.56)
  BOTTOM w0.1: RR14.15 52.94,83.92 J14.5
MCU-GPIO3: length 118.6
  TOP w0.1: RR13.8 57.06,78.94 v1(56.7,79.3) ; v1(52.63,67.66) 52.76,67.66 53.4,68.3 53.4,68.31 v1(53.41,68.31) 54,68.9 54,71.65 54.15,71.8 54.42,71.8
  TOP w0.2: MOD2.9 v1(11.15,23.8)
  INT2 w0.1: v1(52.63,67.66) 51.95,67.66 51.31,67.02 51.02,67.02 51.02,67.01 50.5,67.01 50.23,66.74 50.23,66.19 37.5,53.47 37.5,32.93 36.5,31.93 36.5,23.2 35.8,22.5 27.7,22.5 25.65,20.45 25.65,17.25 22.9,14.5 13.85,14.5 11.15,17.2 v1(11.15,23.8)
  BOTTOM w0.1: v1(56.7,79.3) 56.7,77.58 60.3,73.98 60.3,69.6 58.05,67.35 54.12,67.35 53.41,68.06 v1(53.41,68.31) ; v2(11.15,24.65) v1(11.15,23.8)
MCU-GPIO3_EXT: length 16.9
  TOP w0.1: TVS7.2 65.61,80.96 65.41,81.16 v1(65.41,81.17)
  INT2 w0.1: v1(65.41,81.17) 64.94,80.7 61.88,80.7 60.68,81.9 57.98,81.9 54.36,85.52 J14.7
  BOTTOM w0.1: RR14.16 53.44,83.85 53.88,84.29 J14.7
MCU-GPIO4: length 118.8
  TOP w0.1: v1(51.7,68.1) 51.7,68.2 51.94,68.44 52.94,68.44 53.22,68.72 DS9.3 ; RR3.1 v1(58.59,80.8)
  TOP w0.2: MOD2.10 v1(12.35,23.8)
  INT2 w0.1: v1(51.7,68.1) 51.69,68.1 51.69,67.68 51.23,67.22 50.94,67.22 50.93,67.21 50.42,67.21 50.03,66.82 50.03,66.28 37.3,53.55 37.3,33.02 36.3,32.02 36.3,23.28 35.72,22.7 27.62,22.7 25.45,20.53 25.45,17.33 22.82,14.7 13.93,14.7 12.35,16.28 v1(12.35,23.8)
  BOTTOM w0.1: v1(58.59,80.8) 58.59,75.97 60.5,74.06 60.5,69.52 58.13,67.15 54.03,67.15 52.95,68.23 51.83,68.23 v1(51.7,68.1) ; v1(12.35,23.8) v2(12.35,25.27)